# Altium PCB Node_v2.PcbDoc (continued)
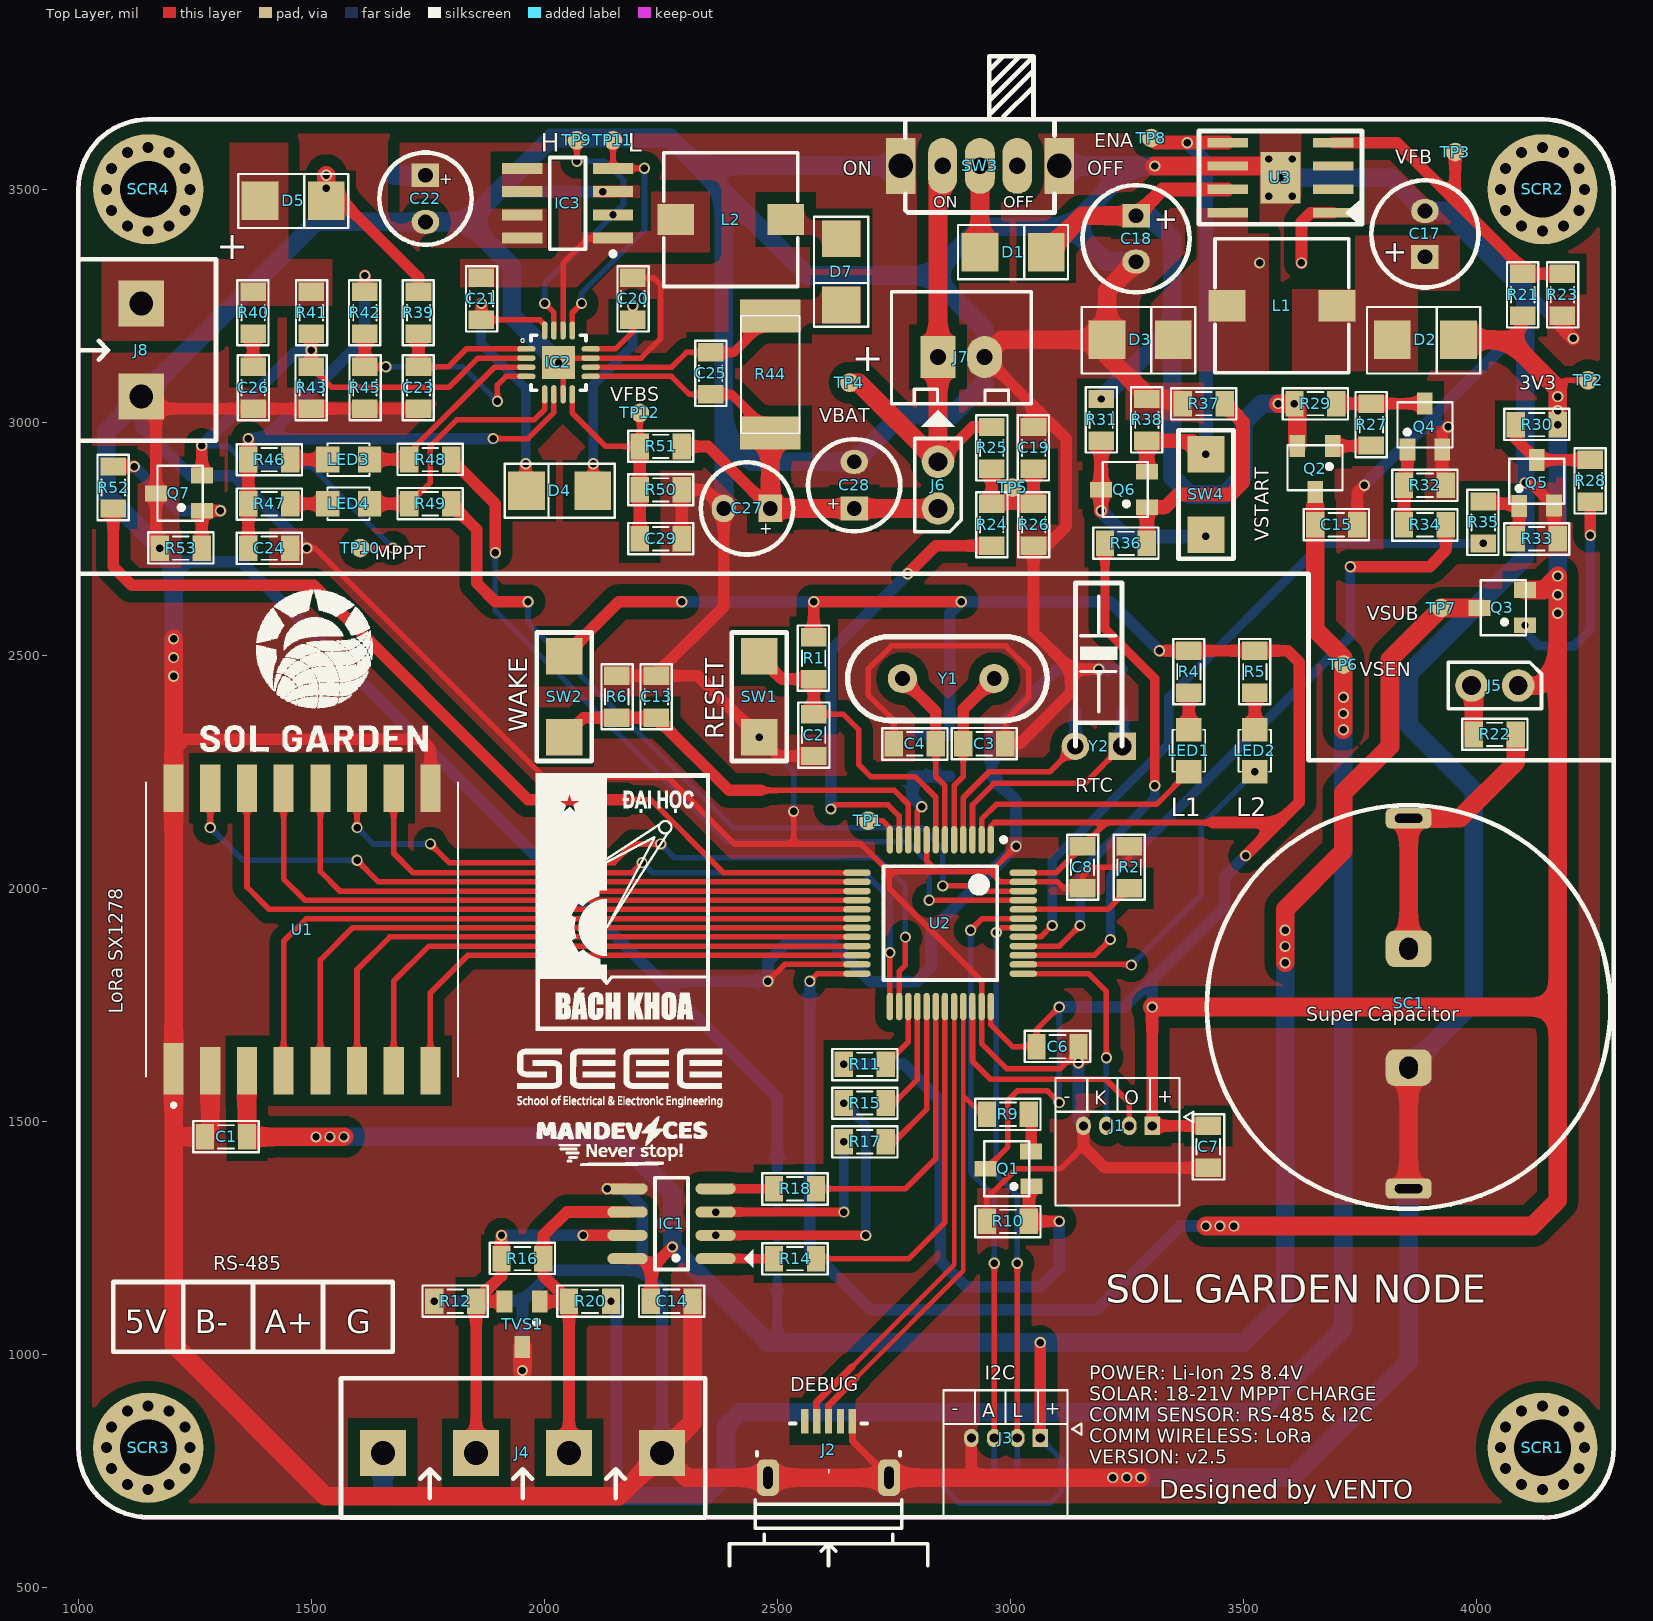
[diagram p0: Top Layer view]
## Footprints (in the part's own frame and the unit in brackets; to place one, negate y for a bottom-side part, rotate by r counter-clockwise, add the part's x,y. Pads: shape width x height; smd on the part's side, far side on the other; paste and mask are expansions set on the pad) (continued)
  silkscreen extent -4.67,-3.1 3.1,3.58, body extent -4.5,-4.5 4.5,4.5, height 1.6
Ra-02 [mm]
  rect 2.8x1.1 smd: 1(-7.6,7)
  rect 2.6x1.1 smd: 2(-7.7,5) 3(-7.7,3) 4(-7.7,1) 5(-7.7,-1) 6(-7.7,-3) 7(-7.7,-5) 8(-7.7,-7) 9(7.7,-7) 10(7.7,-5) 11(7.7,-3) 12(7.7,-1) 13(7.7,1) 14(7.7,3) 15(7.7,5) 16(7.7,7)
  silkscreen extent -9.68,-8.5 8,8.5, body extent -8,-8.49 8,8.51, height 3.03
RES-SMD-0805 [mil]
  rect 39.37x55 smd: 1(-45,0) 2(45,0)
  silkscreen extent -70,-34 70,33, body extent -39,-25 39,25, height 31
RES-SMD-2512 [mm] "Chip Capacitor, Body 3.2x2.5mm, IPC Medium Density"
  rect 1.8x3.3 smd: 1(-3.2,0.127) 2(3.2,0.127)
  silkscreen extent -3.2,-1.47 3.2,1.73, body extent -3.2,-1.47 3.2,1.73, height 0.6
SCREW [mm] "SCREW"
  round 0.65 hole 0.6: 0(-2.286,0) 0(-2.007,-1.143) 0(-2.007,1.143) 0(-1.143,-2.007) 0(-1.143,2.007) 0(0,-2.286) 0(0,2.286) 0(1.143,-2.007) 0(1.143,2.007) 0(2.007,-1.143) 0(2.007,1.143) 0(2.286,0)
  round 6 hole 3.1: 0(0,0)
SO-8 [mm] "8-Pin Small Outline Integrated Circuit 1.27 mm Pitch, IPC Medium Density"
  oval 2.2x0.6 smd: 1(-2.4,1.905) 2(-2.4,0.635) 3(-2.4,-0.635) 4(-2.4,-1.905) 5(2.4,-1.905) 6(2.4,-0.635) 7(2.4,0.635) 8(2.4,1.905)
  silkscreen extent -4.44,-2.5 0.9,2.5, body extent -2.89,-2.43 3.15,2.59, height 1.6
SOIC-8 [mm] "SOIC, 8-Leads, Body 5,0x4,0mm (max), Pitch 1,27mm, IPC Medium Density"
  rect 2.2x0.6 smd: 1(-2.475,1.905) 2(-2.475,0.635) 3(-2.475,-0.635) 4(-2.475,-1.905) 5(2.475,-1.905) 6(2.475,-0.635) 7(2.475,0.635) 8(2.475,1.905)
  silkscreen extent -2.6,-2.5 0.98,2.88, body extent -3.2,-2.5 3.2,2.5, height 1.75
SOT23 [mm] "SOT 23 _ 1-3-2"
  rect 0.85x1.2 smd: 1(-0.94,-1.245) 2(0.985,-1.25) 3(0.005,1.25)
  silkscreen extent -0.89,-0.25 -0.64,0, body extent -1.47,-1.33 1.53,1.17, height 1.06
SOT23A [mm] "SOT 23A"
  rect 0.85x1.2 smd: 1(-0.94,-1.245) 2(0.005,1.25) 3(0.985,-1.25)
  silkscreen extent -1.47,-1.3 1.52,1.17, body extent -1.5,-1.3 1.5,1.2, height 1.06
SOT23D [mm] "SOT 23C - 1-3-2 - BCE"
  rect 0.85x1.2 smd: 1(-0.95,-1.25) 2(0.94,-1.245) 3(0,1.25)
  silkscreen extent -1.5,-1.14 1.5,1.32, body extent -1.5,-1.17 1.5,1.33, height 1.06
SUPERCAPHC [mm]
  rrect50% 2.5x2 hole 1 slot 1.2 at 90 deg: 1(0,3.175) 2(0,-3.302)
  rrect50% 2.5x1.1 hole 0.5 slot 1.5 at 0 deg: 1(0,10.287) 2(0,-9.9)
  silkscreen extent -11,-11 11,11, body extent -9.5,-9.9 9.5,10.5, height 6.19
SW102_SIDE [mil]
  oval 62x120 hole 36: 1(0,0)
  oval 64x120 hole 36: 2(80,0) 3(160,0)
  rect 64x120 hole 52: GND(-90,0) GND(250,0)
  silkscreen extent -80,-100 240,235, body extent -89,-89 249,285, height 187
"SW 3x2x4" [mm]
  rect 2x2 smd: 1(-2.2,0) 2(2.2,0)
  silkscreen extent -3.5,-1.5 3.5,1.5, body extent -2.45,-1.45 2.45,1.45, height 2
TP_SMD [mil]
  round 40 smd: 1(0,0)
TPS5430-2 [mm]
  rect 2.2x0.508 smd: 1(-2.875,1.905) 2(-2.875,0.635) 3(-2.875,-0.635) 4(-2.875,-1.905) 5(2.875,-1.905) 6(2.875,-0.635) 7(2.875,0.635) 8(2.875,1.905)
  rect 2.2x2.8 smd: 9(0,0)
  silkscreen extent -4.44,-2.54 4.44,2.54, body extent -3.33,-2.49 3.33,2.49, height 1.69
USB-M4 [mm]
  rect 0.4x1.35 smd mask+0.05: 1(-1.3,3.069) 2(-0.65,3.069) 3(0,3.069) 4(0.65,3.069) 5(1.3,3.069)
  rrect60% 1.2x2 hole 0.5 slot 1.2 at 90 deg: 5(-3.3,0) 5(3.3,0)
  silkscreen extent -5.4,-4.8 5.4,2.95, body extent -3.93,-2.76 3.93,2.9, height 2.85
VQFN-16 [mm]
  oval 1x0.3 smd: 1(3.073,0.75) 2(3.073,0.25) 3(3.073,-0.25) 4(3.073,-0.75) 9(6.579,-0.75) 10(6.579,-0.25) 11(6.579,0.25) 12(6.579,0.75)
  oval 0.3x1 smd: 5(4.076,-1.727) 6(4.576,-1.727) 7(5.076,-1.727) 8(5.576,-1.727) 13(5.576,1.753) 14(5.076,1.753) 15(4.576,1.753) 16(4.076,1.753)
  rect 1.8x1.8 smd: 17(4.826,0)
  silkscreen extent 2.77,-1.5 6.33,1.5, body extent 3.33,-1.5 6.33,1.5, height 0.81
XTAL [mm]
  round 1.6 hole 0.8: 1(-2.552,0.001) 2(2.448,0.001)
  silkscreen extent -5.44,-2.29 5.44,2.29, body extent -5.55,-2.32 5.62,2.35, height 3.63
XTAL32K [mm] "Connector; Header; 2 Position"
  rect 1.5x1.5 hole 1.016: 1(0,0)
  round 1.5 hole 0.9: 2(2.54,0)
  silkscreen extent 0,-8.89 2.54,0, body extent -0.55,-8.96 3.05,0.27, height 3.8

## Part data
C1 C2 C3 C4 C5 C6 C7 C8 C9 C10 C11 C12 C13 C14 C15 C16 C19 C20 C21 C23 C24 C25 C26 C29: library part CapSMD, "Capacitor", LatestRevisionDate=17-Jul-2002, LatestRevisionNote="Re-released for DXP Platform.", PackageReference=RAD-0.3, Published=8-Jun-2000, Publisher="Altium Limited"
C17 C18 C22 C27 C28: library part "Cap Pol", "Polarized Capacitor (Axial)", LatestRevisionDate=17-Jul-2002, LatestRevisionNote="Re-released for DXP Platform.", PackageReference=POLAR0.8, Published=8-Jun-2000, Publisher="Altium Limited"
D1 D4 D5 D6 D7: "Schottky Rectifiers"
D2 D3: library part "Diode Schottky", "Diode Schottky SS34"
IC1: library part MAX485, "RS232 - RS485 (Same sn75176)"
IC2: "BQ24650 Stand-Alone Synchronous Buck Battery Charge Controller for Solar Power / With Maximum Power Point Tracking"
IC3: "Dual N-Channel Enhancement Mode Field Effect Transistor with Schottky Diode"
J1 J3: library part Header4, "Header IDC, 4 x 1 Pin Vertical 2.54mm Pitch (Non-Boxed, Male)", Manufacturer="Würth Elektronik eiSos GmbH", partNo=613002143121, ComponentLink1 Description=Manufacturer, ComponentLink1URL=http://www.we-online.com, ComponentLink2 Description=Datasheet, ComponentLink2URL=http://katalog.we-online.de/em/datasheet/6130xx143121.pdf, Created by="Karrer Zheng", Created Date="29 March 2013", NoPins=02
J2: Manufacturer=FCI, Manufacturer Part Number=10118193-0001LF, Supplier Part Number 1=609-4616-1-ND, .Checked PCB=RF, .Checked SCH=MM, .Creator=MM, Category="Connectors, Interconnects", ComponentLink1Description=http://portal.fciconnect.com/Comergent//fci/drawing/10118193.pdf, ComponentLink1URL=http://portal.fciconnect.com/Comergent//fci/drawing/10118193.pdf, Connector Type="USB - micro B", Features="Shielded, Solder Retention", Gender=Receptacle, Ingress Protection=-, Mounting Type="Surface Mount, Right Angle, Horizontal", Number of Contacts=5, Packaging="Cut Tape (CT)", Pricing 1="1=0.46, 10=0.433, 25=0.3712, 50=0.3156, 100=0.3032, 250=0.27224, 500=0.25988 (USD)", RoHS="RoHS Compliant", Specifications="USB 2.0", Stock 1=28642, Supplier 1=Digi-Key
J4: Manufacturer="Würth Elektronik eiSos GmbH", partNo=691133710004, ComponentLink1 Description=Manufacturer, ComponentLink1 URL=http://www.we-online.com, ComponentLink2 Description=Datasheet, ComponentLink2 URL=http://katalog.we-online.de/em/datasheet/6911337100xx.pdf, Created by="Baojun Chen", Created Date=4-Aug-15, NoPins=4
J5 J6 J7: "WR-PHD 2.54 mm Angled Socket Header", Manufacturer="Würth Elektronik eiSos GmbH", partNo=613002143121, ComponentLink1 Description=Manufacturer, ComponentLink1URL=http://www.we-online.com, ComponentLink2 Description=Datasheet, ComponentLink2URL=http://katalog.we-online.de/em/datasheet/6130xx143121.pdf, Created by="Karrer Zheng", Created Date="29 March 2013", NoPins=02
J8: Manufacturer="Würth Elektronik eiSos GmbH", partNo=691103110002, ComponentLink1 Description=Manufacturer, ComponentLink1URL=http://www.we-online.com, ComponentLink2 Description=Datasheet, ComponentLink2URL=http://katalog.we-online.de/em/datasheet/6911031100xx.pdf, Created by="Karrer Zheng", Created Date="29 October 2013", NoPins=2
L1 L2: library part Inductor, "Inductor"
LED1 LED2 LED3 LED4: "LED Single colour Green and Red"
Q1 Q4 Q5: library part C1815, "NPN 600mW, ECB", =C2383
Q2 Q3: library part MOSFET_P, "30V 5.8A P-Channel MOSFET"
Q6 Q7: library part MOSFET_N, "Generic N Channel MOSFET"
R1 R2 R6 R21 R22 R23 R31 R36 R37 R38: library part "Resistor - SMD", "Resistor", Manufacturer="Generic Components", Class=Passive, Published=08/06/2000, Publisher="Altium Hobart Technology Centre"
R3 R4 R5 R7 R8 R9 R10 R11 R12 R13 R14 R15 R16 R17 R18 R19 R20 R24 R25 R26 R27 R28 R29 R30 R32 R33 R34 R35 R39 R40 R41 R42 R43 R44 R45 R46 R47 R48 R49 R50 R51 R52 R53: library part "Resistor - SMD", "Resistor SMD", Manufacturer="Generic Components", Class=Passive, Published=08/06/2000, Publisher="Altium Hobart Technology Centre"
SC1: library part SuperCap
SCR1 SCR2 SCR3 SCR4: library part screw3m
SW1 SW2 SW3 SW4: library part SW2, "Switch button 2 pin"
TP1 TP2 TP3 TP4 TP5 TP6 TP7 TP8 TP9 TP10 TP11 TP12: library part TP, "CONNECT 1"
TVS1: library part BAV70, "BAV70"
U2: library part STM32F103C8T6, "STM32 ARM-based 32-bit MCU with 64 Kbytes Flash, 64-pin LQFP, Industrial Temperature"
Y1: library part XTAL, "Crystal Oscillator", LatestRevisionDate=17-Jul-2002, LatestRevisionNote="Re-released for DXP Platform.", PackageReference=R38, Published=8-Jun-2000, Publisher="Altium Limited"
Y2: library part XTAL/32KHz, "Crystal Oscillator", LatestRevisionDate=17-Jul-2002, LatestRevisionNote="Re-released for DXP Platform.", PackageReference=R38, Published=8-Jun-2000, Publisher="Altium Limited"
U3: Name=TPS5430

## Via types
v1: diameter 24, hole 16, Top Layer to Bottom Layer, 129 vias

## Nets (pads, with @x,y where several pads share a name; then routed paths per layer and width w, separated by ;. In a path a pad name is that pad's centre, name@x,y a point inside that pad or via, vN(x,y) a via of type N, cw(c..) or ccw(c..) an arc to the next point about the centre after c; other vN are vias at no path point)
3V3: C5.2 C6.2 C7.2 C8.2 C9.2 D2.2 J1.1 J5.1 Q1.3 Q3.3 R1.1 R3.1 R4.1 R5.1 R21.2 R30.1 SW2.2 TP2.1 U2.1 U2.24 U2.36 U2.48 | length 11064.4
  Top Layer w12: v1(2570,1800.47) 2586.26,1816.73 U2.24 ; Q1.3 2948,1398 2995,1445 2995,1545 3015,1565 3080,1565 v1(3105,1540) ; U2.36@2957.47,1746.8 U2.36 2958.27,1706.73 3005,1660 C6.2 3056.42,1696.42 v1(3105,1745) ; U2.1 2958.27,2133.27 2966,2141 3206,2141 ; U2.48 3098.27,2033.27 C8.2 3206,2141 ; 3435,2141 3206,2141 ; 4175,3072.12 4192.88,3090 TP2.1
  Top Layer w25: SW2.2 2159.99,2615 v1(2295,2615) ; R1.1 v1(2578.11,2615) v1(2895,2615) ; v1(3304.71,1745) J1.1 C7.2 ; v1(3320,2509.79) R4.1 R5.1 3595.21,2509.79 3620,2485 3620,2185 3576,2141 ; 3435,2141 3576,2141 ; v1(3505,2070) 3576,2141 ; 4070,3177.12 4100,3207.12 R21.2
  Top Layer w40: v1(3304.71,1745) 4175,1745 ; v1(3420,1275) v1(3450,1275) v1(3480,1275) 4120,1275 4175,1330 4175,1745 ; D2.2 4070,3177.12 4175,3072.12 v1(4175,3055) v1(4175,3025) v1(4175,2995) ; J5.1 4135,2435 4175,2475 ; Q3.3 4145,2640 v1(4175,2670) v1(4175,2630) v1(4175,2590) 4175,2475 ; 4175,1745 4175,2475
  Bottom Layer w12: v1(3105,1540) v1(3105,1745)
  Bottom Layer w25: v1(2295,2615) v1(2578.11,2615) ; v1(2570,1800.47) 2570,1225 2700,1095 3185,1095 3365,1275 v1(3420,1275) v1(3450,1275) v1(3480,1275) ; R3.1 C9.2 2870,2590 v1(2895,2615) 3215,2615 3320,2510 v1(3320,2509.79) ; v1(3105,1745) 3244.71,1745 3302.36,1802.64 ; v1(3304.71,1745) 3304.71,1804.71 3460,1960 3460,2025 v1(3505,2070)
  Bottom Layer w40: v1(4175,2590) v1(4175,2630) v1(4175,2670) v1(4175,2995) v1(4175,3025) v1(4175,3055)
3V3-SUB: C1.1 C14.2 IC1.8 J3.1 Q3.2 R7.2 R8.2 R13.1 TP7.1 U1.3 | length 5464.7
  Top Layer w25: IC1.8 2210,1205 2230,1185 ; C14.2 2230,1115.32 2230,1185 ; v1(2275,1230) 2230,1185 ; J3.1 v1(3064.21,1025)
  Top Layer w40: U1.3 C1.1 v1(1510,1466.42) v1(1540,1466.42) v1(1570,1466.42) ; v1(3590,1840) v1(3590,1875) v1(3590,1910) 3590,1955 3715,2080 3715,2205 3815,2305 3815,2491.4 TP7.1 Q3.2
  Bottom Layer w12: R8.2 2865,705 2890,680 3085,680 3110,705 R7.2 3110,774.21 J3.1
  Bottom Layer w20: 2500,1035 R13.1
  Bottom Layer w25: v1(1510,1466.42) v1(1540,1466.42) v1(1570,1466.42)
  Bottom Layer w40: v1(1570,1466.42) 2153.58,1466.42 2275,1345 v1(2275,1230) 2480,1025 2510,1025 ; 2500,1035 2510,1025 ; v1(3590,1910) v1(3590,1875) v1(3590,1840) 3590,1115 3500,1025 v1(3064.21,1025) 2510,1025
A: IC1.6 J4.3 R16.1 R20.2 TVS1.1 | length 753.6
  Top Layer w25: TVS1.1 R20.2 ; J4.3 R20.2 ; IC1.6 2048.11,1305 1998.11,1255 R16.1 1998.11,1168.21 R20.2
BOOT0: R2.1 U2.44 | length 245.8
  Top Layer w12: U2.44 3209.53,1954.53 R2.1
BTST: C21.1 D4.2 IC2.16 | length 629.6
  Top Layer w12: C21.1 1990,3220 2000.94,3209.06 IC2.16
  Top Layer w25: C21.1 v1(1865,3255) ; v1(1960,2911) 1960,2854.8 D4.2
  Bottom Layer w20: v1(1865,3255) 1865,3167.84 1960,3072.84 v1(1960,2911)
GND: C1.2 C2.1 C3.1 C4.1 C5.1 C6.1 C7.1 C8.1 C9.1 C10.1 C11.2 C12.2 C13.1 C14.1 C15.1 C17.2 C18.2 C19.1 C20.2 C22.2 C23.2 C24.2 C26.1 C27.2 C28.2 C29.1 D3.1 IC1.5 IC2.7 IC2.11 IC2.17 IC3.3 J1.4 J2.5 J3.4 J4.4 J7.2 J8.1 Q4.2 Q5.2 Q7.2 R2.2 R6.2 R10.1 R12.2 R19.2 R23.1 R26.1 R32.2 R33.2 R37.1 R38.1 R43.2 R45.1 R50.1 R53.2 SC1.2 SW1.1 SW3.GND TVS1.3 U1.1 U1.2 U1.9 U1.16 U2.8 U2.23 U2.35 U2.47 U3.6 U3.9 | length 32008
  Top Layer w12: v1(1490,2730) 1507.56,2730 1999.15,2238.41 2265,2238.41 2408.41,2095 2535,2095 ; IC2.7 2040.31,3118.16 v1(2030.47,3128) 2040.31,3137.84 IC2.11 2207.84,3137.84 2250,3180 2250,3295 2235,3310 C20.2 ; v1(2480,1800.47) 2515.94,1836.42 U2.23 ; v1(2535,2165) 2535,2095 ; C4.1 2750.16,2359.84 2695,2415 2695,2470 2745,2520 2990,2520 3040,2470 3040,2410 2990,2360 2990,2310.79 C3.1 ; U2.8 2820.47,2059.53 2845,2035 ; R10.1 2950,1335 3013,1398 3108.96,1398 3157.07,1446.11 ; v1(3012.47,2090) 2957.47,2035 ; C6.1 3146.42,1651.42 3107.2,1612.2 2992.8,1612.2 2938.58,1666.42 U2.35 2938.58,1801.42 2740,2000 2740,2035 ; R2.2 3255,2065 3235,2045 3175,2045 3155,2025 C8.1 3115,2000 3101.42,2013.58 U2.47 2978.89,2013.58 2957.47,2035 ; 2535,2095 2680,2095 2740,2035 ; 2740,2035 2845,2035 ; 2845,2035 2957.47,2035
  Top Layer w15: J2.5@2661.18,855.82 2661.18,813.74 J2.5@2739.92,735
  Top Layer w25: J8.1 J8.1@1160.99,3029.01 ; v1(1175,2730) 1166.79,2738.21 Q7.2 1166.79,3023.21 J8.1@1160.99,3029.01 ; 1204.41,2295 1229.41,2320 1735,2320 1755.59,2299.41 U1.9 ; C24.2 v1(1490,2730) ; C23.2 R45.1 C26.1 J8.1@1160.99,3029.01 ; v1(2125,3495) IC3.3 ; v1(2135,1355) IC1.5 ; R6.2 C13.1 2329.61,2455.92 v1(2461.22,2324.31) ; C13.1@2238.55,2457.96 2385,2604.42 C27.2 2345.2,2854.8 R50.1 C29.1 ; J4.4 J4.4@2290.82,750 ; SW1.1@2461.22,2330.29 v1(2461.22,2324.31) ; C2.1 2501.81,2283.72 v1(2461.22,2324.31) ; J3.4 2916.57,753.43 2935,735 ; J7.2 3050,3035 ; C3.1 3020,2310 3130,2420 3130,2470 ; C19.1 3050,3035 ; v1(3146.42,1625) C6.1@3146.42,1651.42 ; J1.4 3157.07,1446.11 3203.19,1400 C7.1 ; v1(3190,2470) 3130,2470 ; C15.1 3744.8,2849.8 v1(3760,2865) ; R32.2 3927,2873 Q4.2 3927,2977 v1(3940,2990) ; v1(4105,2870) 4118,2870 Q5.2 4167,2758 R33.2 ; 3050,3035 3120,2965 3120,2776.73 3078.27,2735 R26.1 3050,2550 3130,2470
  Top Layer w30: R23.1 4185,3203.13 v1(4208.13,3180)
  Top Layer w40: v1(1204.41,2535) v1(1204.41,2495) v1(1204.41,2455) 1204.41,2295 U1.16 U1.1 1204.41,1477.01 ; U1.2 1283.15,1477.68 C1.2 1215,1466.42 1204.41,1477.01 ; v1(1953.11,965) TVS1.3 ; J4.4@2290.82,750 2305.82,735 2480.08,735 2739.92,735 2935,735 v1(3220,735) v1(3250,735) v1(3280,735) ; C14.1 2318.11,853.71 J4.4 2252.61,787.61 2160,695 1530,695 1204.41,1020.59 1204.41,1477.01 ; J7.2 2982.12,3177.12 D3.1 ; C18.2 3207.8,3282.58 D3.1 ; v1(3310,3550) U3.6 3555,3550 v1(3580,3525) ; R37.1 3360,3050 R38.1 3293.21,3056.79 3207.8,3142.2 D3.1 ; SC1.2@3855,1355.25 SC1.2@3855,1615
  Bottom Layer w12: v1(2461.22,2324.31) 2535,2250.53 v1(2535,2165)
  Bottom Layer w25: J8.1 1135,2990 1240,2885 1335,2885 v1(1490,2730) ; 1204.41,2700.59 1349.41,2700.59 2249.53,1800.47 ; v1(1763.61,1113.43) 1953.43,1113.43 ; 1900,3495 v1(2125,3495) ; v1(1953.11,965) 1953.11,1113.11 1953.43,1113.43 ; v1(2135,1355) 2170,1355 2210,1315 2210,1180 ; J4.4 2252.61,1137.39 2210,1180 ; R19.2 2500,1550 2249.53,1800.47 ; v1(3146.42,1625) 3146.42,1500.66 J1.4 ; C11.2 v1(3190,2470) C12.2 3100,2470 C9.1 C10.1 3012.47,2187.53 v1(3012.47,2090) 2830,1907.53 2830,1830 2799.4,1799.4 2700.6,1799.4 2620,1880 2518.06,1880 2480,1841.94 v1(2480,1800.47) 2249.53,1800.47 ; v1(3760,2865) 3885,2990 ; v1(3940,2990) 3885,2990 ; 4105,3210 3885,2990 ; 4105,3283.13 v1(4208.13,3180) ; 1953.43,1113.43 2020,1180 2210,1180
  Bottom Layer w40: v1(1204.41,2455) v1(1204.41,2495) v1(1204.41,2535) 1204.41,2700.59 v1(1175,2730) 1060,2845 1060,2980 J8.1 1510,3430 C22.2 1835,3430 ; v1(2030.47,3128) 1930,3228.47 1930,3335 1835,3430 ; C27.2 2385,2975 ; SW3.GND@2765,3550.34 2329.66,3550.34 ; SW3.GND@3105,3550.34 3105.34,3550 3260,3550 ; v1(3220,735) v1(3250,735) v1(3280,735) 3605,735 3855.01,985.01 3855.01,1355.24 3855,1615 3995,1755 3995,2210 3855,2350 3855,2460 4105,2710 v1(4105,2870) 4105,3210 4105,3283.13 3934.7,3453.43 C17.2 3818.43,3525 v1(3580,3525) ; C18.2 3205.21,3344.79 3130,3420 ; v1(3310,3550) 3260,3550 ; 1835,3430 1900,3495 2015,3610 2270,3610 2329.66,3550.34 ; 2329.66,3550.34 2385,3495 ; 2385,2975 2385,3495 ; 2385,2975 2445,2915 C28.2 2765,3015 2875,3015 2945,3085 J7.2 2945,3200 2830,3315 ; 2385,3495 2565,3315 2830,3315 ; 2830,3315 2935,3420 3130,3420 ; 3130,3420 3260,3550
  other v1: 3555,3485 3605,3485 3555,3565 3605,3565
I2C1_SCL: J3.2 R7.1 U2.42 | length 1252.9
  Top Layer w12: v1(2970,1905) 2980.16,1915.16 U2.42 ; J3.2 v1(3015,1195)
  Bottom Layer w12: v1(2970,1905) 2970,1385 3015,1340 v1(3015,1195) ; J3.2 3015,740 R7.1
I2C1_SDA: J3.3 R8.1 U2.43 | length 1322.8
  Top Layer w12: v1(2915,1910) 2939.84,1934.84 U2.43 ; J3.3 v1(2965.79,1195)
  Bottom Layer w12: v1(2915,1910) 2915,1390 2965.79,1339.21 v1(2965.79,1195) ; R8.1 2965.79,746.79 J3.3
MCU_RESET: C2.2 R1.2 SW1.2 U2.7 | length 683.2
  Top Layer w12: C2.2 2641.28,2373.72 2675,2340 2675,2265 2700.32,2239.68 2795.63,2239.68 2840.16,2195.16 U2.7
  Top Layer w25: SW1.2 2510.04,2448.72 R1.2 C2.2
MPPSET: IC2.2 Q7.3 R41.1 R43.1 TP10.1 | length 1531.8
  Top Layer w12: R43.1 1544.02,3075 1795,3075 1857.84,3137.84 IC2.2 ; TP10.1 v1(1675,2730)
  Top Layer w25: v1(1265,2950) 1265.21,2949.79 Q7.3 ; R43.1 v1(1500,3154.51) R41.1
  Bottom Layer w12: v1(1265,2950) 1320,2950 1365,2905 1500,2905 v1(1675,2730)
  Bottom Layer w25: v1(1265,2950) 1469.51,3154.51 v1(1500,3154.51)
NetC16_1: C16.1 D3.2 L1.1 U3.8
  other v1: 3535,3341.89
NetC16_2: C16.2 U3.1 | length 164.6
  Top Layer w25: v1(3625,3341.89) 3625,3430 3645,3450 U3.1
NetC17_1: C17.1 D2.1 L1.2
NetC19_2: C19.2 R24.2 R25.1 R26.2 TP5.1 | length 275
  Top Layer w25: R25.1 R24.2 3005,2825 ; TP5.1 3005,2825 ; C19.2 R26.2 3005,2825
NetC22_1: C22.1 D6.2 IC3.7 IC3.8 | length 70
  Bottom Layer w40: D6.2 C22.1
NetC23_1: C23.1 IC2.1 R39.2 | length 318.4
  Top Layer w12: C23.1 1793.97,3119.02 1832.47,3157.53 IC2.1
  Top Layer w25: C23.1 R39.2
NetC26_2: C26.2 R40.2 | length 71
  Top Layer w25: C26.2 R40.2
NetC29_2: C29.2 IC2.8 R50.2 R51.2 TP12.1 | length 484.8
  Top Layer w12: IC2.8 2060,3020 2131.87,2948.13 R51.2 TP12.1
  Top Layer w25: C29.2 R50.2 R51.2
NetD1_1: D1.1 SW3.2 | length 185.1
  Top Layer w40: D1.1 SW3.2
NetD5_2: D5.2 D6.1 R39.1 | length 351.8
  Top Layer w25: D5.2 1565.81,3475 1730,3310.81 R39.1
  Top Layer w40: D5.2 v1(1532.2,3502.6) v1(1532.2,3530.2)
NetD7_1: D7.1 L2.2
NetIC1_1: IC1.1 R14.1 | length 125.5
  Top Layer w20: IC1.1 R14.1
NetIC1_2: IC1.2 R13.2 R15.1 | length 760.3
  Top Layer w20: v1(2367.6,1255) v1(2690,1255)
  Bottom Layer w20: v1(2367.6,1255) 2495,1255 R13.2 ; v1(2643,1539) 2690,1492 v1(2690,1255)
NetIC1_3: IC1.3 R17.1 R19.1 | length 560.9
  Top Layer w20: v1(2367.6,1305) v1(2643,1305)
  Bottom Layer w20: v1(2367.6,1305) 2495,1305 R19.1 ; v1(2643,1305) v1(2643,1456)
NetIC1_4: IC1.4 R18.1 | length 125.5
  Top Layer w20: IC1.4 R18.1
NetIC1_7: IC1.7 J4.2 R12.1 R16.2 TVS1.2 | length 820.8
  Top Layer w25: J4.2 R12.1 ; v1(1908.11,1255) R16.2 1908.11,1167.93 R12.1 ; TVS1.2 R12.1 ; v1(2083.11,1255) IC1.7
  Bottom Layer w25: v1(1908.11,1255) v1(2083.11,1255)
NetIC2_13: IC2.13 IC3.4 TP11.1 | length 539.8
  Top Layer w12: IC2.13 2060,3235 v1(2080,3255) ; TP11.1 IC3.4 v1(2215,3545)
  Bottom Layer w12: v1(2080,3255) 2080,3277.5 2215,3412.5 v1(2215,3545)
NetIC2_15: IC2.15 IC3.2 TP9.1 | length 562.7
  Top Layer w12: v1(2000.94,3255) 2020.63,3235.31 IC2.15 ; v1(2070,3560) TP9.1
  Bottom Layer w12: v1(2000.94,3255) 2000.94,3298.5 v1(2147.44,3445) 2170,3467.56 2170,3520 2130,3560 v1(2070,3560)
NetJ5_2: J5.2 R22.2 | length 107.1
  Top Layer w40: J5.2 3995,2430 R22.2
NetLED1_1: LED1.1 R4.2 | length 79.8
  Top Layer w25: LED1.1 R4.2
NetLED2_1: LED2.1 R5.2 | length 79.8
  Top Layer w25: LED2.1 R5.2
NetLED3_1: LED3.1 R46.2 | length 80
  Top Layer w25: R46.2 LED3.1
NetLED4_1: LED4.1 R47.2 | length 80
  Top Layer w25: R47.2 LED4.1
NetQ1_1: Q1.1 R10.2 R11.1 | length 1120.2
  Top Layer w25: Q1.1 3040,1355.38 R10.2 v1(3105,1285)
  Bottom Layer w25: v1(2643,1622) 2771.61,1622 2850,1543.61 2850,1200 2905,1145 3065,1145 3105,1185 v1(3105,1285)
NetQ1_2: Q1.2 R9.2 | length 82.1
  Top Layer w25: R9.2 3045,1510 Q1.2
NetQ2_1: Q2.1 R27.2 | length 83.4
  Top Layer w25: Q2.1 3774,2949 R27.2
NetQ3_1: Q3.1 R28.2 | length 455.4
  Top Layer w25: v1(4245,2757.6) R28.2
  Bottom Layer w20: v1(4104.79,2564.2) 4104.79,2550.21 4135,2520 4210,2520 4245,2555 v1(4245,2757.6)
NetQ4_1: Q4.1 R32.1 R34.1 | length 164.7
  Top Layer w25: R34.1 R32.1 3852.6,2872.6 Q4.1
NetQ4_3: Q4.3 R27.1 R29.2 | length 190
  Top Layer w25: R29.2 R27.1 Q4.3
NetQ5_1: Q5.1 R33.1 R35.1 | length 153.3
  Top Layer w25: R35.1@4015,2825 4088.39,2825 Q5.1 4092.6,2757.6 R33.1
NetQ5_3: Q5.3 R28.1 R30.2 | length 209.4
  Top Layer w25: R30.2 4085,2964.21 Q5.3 R28.1
NetQ6_1: Q6.1 R36.1 R37.2 | length 492.2
  Top Layer w30: R36.1 Q6.1 3332.8,2817.8 3360,2845 3474.06,2845 3500,2870.94 3500,3000 R37.2
NetQ6_2: Q6.2 R31.1 SW4.2 | length 401.2
  Top Layer w30: v1(3195,2810) Q6.2 R31.1 ; v1(3420,2755) SW4.2
  Bottom Layer w30: v1(3195,2810) 3250,2755 v1(3420,2755)
NetQ7_1: Q7.1 R52.1 R53.1 | length 389.4
  Top Layer w25: R52.1 v1(1120,2905) ; R53.1 Q7.1 v1(1305,2810)
  Bottom Layer w25: v1(1120,2905) 1215,2810 v1(1305,2810)
NetR14_2: R14.2 U2.31 | length 772.4
  Top Layer w12: R14.2 2624.5,1205 2782.5,1205 2859.84,1282.34 U2.31
NetR15_2: R15.2 U2.28 | length 245.3
  Top Layer w12: R15.2 2750.42,1539 2800.79,1589.37 U2.28
NetR17_2: R17.2 U2.29 | length 336.8
  Top Layer w12: R17.2 2751,1456 2820.47,1525.47 U2.29
NetR18_2: R18.2 U2.30 | length 609.9
  Top Layer w12: R18.2 2775,1355 2840.16,1420.16 U2.30
NetR21_1: R21.1 R23.2 TP3.1 U3.4 | length 727.2
  Top Layer w25: U3.4 3830,3600 3955,3475 ; TP3.1 3955,3475 ; 3960,3470 3955,3475 ; R23.2 R21.1 4100,3330 3955,3475
NetR22_1: R22.1 SC1.1 | length 619.7
  Top Layer w40: SC1.1@3855,1870 3855,2150 3965,2150 4085,2270 R22.1
NetR24_1: R24.1 U2.11 | length 989.4
  Top Layer w12: v1(2615,2170) 2623.9,2178.9 2737.83,2178.9 2761.42,2155.31 U2.11
  Top Layer w25: v1(2780,2675) 2840,2735 R24.1
  Bottom Layer w25: v1(2615,2170) 2615,2510 v1(2780,2675)
NetR34_2: R34.2 U2.39 | length 1488.9
  Top Layer w12: U2.39 3181.1,1856.1 v1(3215,1890)
  Top Layer w25: v1(3730,2690) 3900,2690 3935,2725 R34.2
  Bottom Layer w20: v1(3215,1890) 3215,2025 3730,2540 v1(3730,2690)
NetR35_2: R35.2 U2.41 | length 1477.4
  Top Layer w12: U2.41 3065.47,1895.47 v1(3090,1920)
  Bottom Layer w20: v1(3090,1920) 3090,2060 3340,2310 3340,2410 3670,2740 v1(4015,2740)
NetR36_2: R36.2 U2.40 | length 1070.8
  Top Layer w12: U2.40 3105.79,1875.79 v1(3150,1920)
  Top Layer w20: R36.2 3203.21,2556.79 3310,2450 v1(3310,2220)
  Bottom Layer w20: v1(3150,1920) 3150,2035 3310,2195 v1(3310,2220)
NetR48_1: R48.1 U2.45 | length 1800.9
  Top Layer w12: v1(2825.79,1974.21) U2.45
  Top Layer w25: R48.1 1895,2825 v1(1895,2720)
  Bottom Layer w12: v1(1895,2720) 1895,2595 2390,2100 2779.21,2100 2825.79,2053.43 v1(2825.79,1974.21)
NetR49_1: R49.1 U2.46 | length 1712.8
  Top Layer w12: v1(2855,2005) 2935,2005 2946.1,1993.9 U2.46
  Top Layer w25: R49.1 1855,2770 1855,2655 1895,2615 v1(1965,2615)
  Bottom Layer w12: v1(1965,2615) 1965,2570 2405,2130 2810,2130 2855,2085 v1(2855,2005)
NetR52_2: R52.2 U2.13 | length 1993
  Top Layer w12: 2170,2190 2228.11,2190 2384.84,2033.27 U2.13
  Top Layer w25: R52.2 1075,2690 1115,2650 1505,2650 1965,2190 2170,2190
NetTP1_1: TP1.1 U2.12 | length 78.5
  Top Layer w12: TP1.1 2726,2145 2741.73,2129.27 U2.12
NetU1_4: U1.4 U2.18 | length 1528.4
  Top Layer w12: U1.4 1440.63,1886.1 1489.37,1934.84 U2.18
NetU1_5: U1.5 U2.19 | length 1418.1
  Top Layer w12: U1.5 1519.37,1846.1 1588.43,1915.16 U2.19
NetU1_6: U1.6 U2.20 | length 1318.8
  Top Layer w12: U1.6 1598.11,1825 1668.58,1895.47 U2.20
NetU1_7: U1.7 U2.21 | length 1217.6
  Top Layer w12: U1.7 1676.85,1800.47 1752.17,1875.79 2344.21,1875.79 U2.21
NetU1_8: U1.8 U2.22 | length 1116.1
  Top Layer w12: U1.8 1755.59,1775.59 1836.1,1856.1 U2.22
NetU1_10: U1.10 U2.25 | length 1495
  Top Layer w12: U1.10 1676.85,2075 1718.58,2033.27 2188.27,2033.27 v1(2210,2055) ; U2.25 2741.73,1861.73 v1(2741.94,1861.94)
  Bottom Layer w12: v1(2210,2055) 2231.73,2033.27 2686.73,2033.27 2741.94,1978.06 v1(2741.94,1861.94)
NetU1_11: U1.11 U2.26 | length 1611
  Top Layer w12: v1(1598.11,2130) U1.11 ; v1(1755.59,2095) 1795.59,2055 2150,2055 2190,2095 v1(2250,2095) ; U2.26 2761.42,1821.42 2775,1835 v1(2775,1895)
  Bottom Layer w12: v1(1598.11,2130) 1633.11,2095 v1(1755.59,2095) ; v1(2250,2095) 2280,2065 2715,2065 2775,2005 v1(2775,1895)
NetU1_12: U1.12 U2.15 | length 1347.9
  Top Layer w12: U1.12 1519.37,2035.63 1561.1,1993.9 U2.15
NetU1_13: U1.13 U2.16 | length 1443.9
  Top Layer w12: U1.13 1440.63,2020 1486.42,1974.21 U2.16
NetU1_14: U1.14 U2.17 | length 1541.2
  Top Layer w12: U1.14 1361.89,2002.32 1409.68,1954.53 U2.17
NetU1_15: U1.15 U2.14 | length 1520.6
  Top Layer w12: v1(1283.15,2130) U1.15 ; v1(1598.11,2060) 1644.53,2013.58 U2.14
  Bottom Layer w12: v1(1283.15,2130) 1353.15,2060 v1(1598.11,2060)
OSC32_IN: C11.1 U2.3 Y2.1 | length 523.2
  Top Layer w12: U2.3 2918.9,2178.9 2965,2225 3160,2225 Y2.1
  Bottom Layer w25: Y2.1 C11.1
OSC32_OUT: C12.1 U2.4 Y2.2 | length 451.9
  Top Layer w12: U2.4 2899.21,2194.21 2955,2250 3085,2250 Y2.2
  Bottom Layer w25: Y2.2 C12.1
OSC_IN: C3.2 U2.5 Y1.1 | length 381.6
  Top Layer w12: U2.5 2879.53,2220 2899.21,2239.68 C3.2
  Top Layer w25: C3.2 2899.21,2383.72 Y1.1
OSC_OUT: C4.2 U2.6 Y1.2 | length 383.8
  Top Layer w12: C4.2 2840.16,2240 2859.84,2220.31 U2.6
  Top Layer w25: Y1.2 2840.16,2378.43 C4.2
PA15: LED2.2 U2.38 | length 757.4
  Top Layer w12: U2.38 3258.58,1836.42 v1(3260,1835)
  Bottom Layer w12: v1(3260,1835) 3410,1985 3410,2135 v1(3525,2250)
PC13: LED1.2 U2.2 | length 531.5
  Top Layer w12: U2.2 2938.58,2148.58 2970,2180 3313.49,2180 LED1.2
PH: C21.2 IC2.14 IC3.1 IC3.5 IC3.6 L2.1 | length 274
  Top Layer w12: IC2.14 2040.31,3341.89 2093.43,3395 IC3.1
REGN: C20.1 D4.1 IC2.12 | length 595.7
  Top Layer w12: IC2.12 2152.53,3157.53 2190,3195 C20.1
  Top Layer w20: D4.1 2107.5,2856.5 2105,2859 v1(2105,2911) ; C20.1 v1(2190,3250)
  Bottom Layer w20: v1(2105,2911) 2105,3080 2190,3165 v1(2190,3250)
SRN: C25.1 C27.1 C28.1 IC2.9 J6.1 R44.2 R51.1 | length 1202.7
  Top Layer w12: IC2.9 2273.16,3098.47 2311.63,3060 C25.1
  Top Layer w20: C25.1 2401.57,3060 R44.2
  Top Layer w25: R51.1 2351.87,2948.13 C27.1
  Top Layer w40: R44.2 C27.1 C28.1 J6.1
SRP: C25.2 D7.2 IC2.10 R44.1 | length 431.2
  Top Layer w12: IC2.10 2273.16,3118.16 2305,3150 C25.2
  Top Layer w20: C25.2 2406.46,3150 R44.1
STAT1: IC2.3 LED3.2 R48.2 | length 427.3
  Top Layer w12: R48.2 1710,2935 1893.16,3118.16 IC2.3
  Top Layer w25: LED3.2 R48.2
STAT2: IC2.5 LED4.2 R49.2 | length 537.9
  Top Layer w12: R49.2 1755,2870 1755,2948.13 1811.87,3005 1978.13,3005 2000.94,3027.81 IC2.5
  Top Layer w25: LED4.2 R49.2
SWCLK: J1.3 U2.37 | length 482.7
  Top Layer w12: U2.37 3168.27,1816.73 3206.29,1778.71 v1(3206.29,1636.1)
  Bottom Layer w12: J1.3 v1(3206.29,1636.1)
SWDIO: J1.2 U2.34 | length 540.4
  Top Layer w12: U2.34 2918.9,1628.57 2957.47,1590 3205,1590 3255.5,1539.5 J1.2
TPS_ENA: Q6.3 R38.2 SW4.1 TP8.1 U3.5 | length 1058.1
  Top Layer w30: Q6.3 3293.43,2959.79 R38.2 3391.62,2960 v1(3420,2931.61) ; TP8.1 3312.8,3600 v1(3380,3600) U3.5
  Bottom Layer w30: v1(3380,3600) 3420,3560 v1(3420,2931.61)
TPS_VIN: C18.1 D1.2 Q2.3 R29.1 R31.2 U3.7 | length 1825.6
  Top Layer w30: C18.1 3326.79,3500 U3.7
  Top Layer w40: D1.2 3155.17,3443.21 C18.1 ; v1(3575,3040) v1(3610,3040) 3616.2,3033.8 Q2.3
  Bottom Layer w40: v1(3195,3050) 3347.5,3202.5 ; C18.1 3299.29,3443.21 3347.5,3395 3347.5,3202.5 ; v1(3610,3040) v1(3575,3040) 3540,3040 3500,3000 3500,2885 3460,2845 3385,2845 3347.5,2882.5 3347.5,3202.5
TS: IC2.4 R42.2 R45.2 | length 490.8
  Top Layer w12: R45.2 v1(1660,3119.01) ; v1(1899.25,3045) 1899.25,3080 1917.72,3098.47 IC2.4
  Top Layer w25: R45.2 R42.2
  Bottom Layer w12: v1(1660,3119.01) 1825.24,3119.01 v1(1899.25,3045)
USB: R11.2 U2.27 | length 143.9
  Top Layer w12: R11.2 2781.1,1670.1 U2.27
USB_N: J2.2 U2.32 | length 1012.4
  Top Layer w10: 2660.58,973 2879.53,1191.95 U2.32
  Top Layer w15: J2.2 2584.41,896.84 2660.58,973
USB_P: J2.3 R9.1 U2.33 | length 1077.3
  Top Layer w10: 2670.1,950 2899.21,1179.11 2899.21,1555 ; U2.33 2899.21,1555 ; R9.1 2939.21,1515 2899.21,1555
  Top Layer w15: J2.3 2610,889.9 2670.1,950
VBAT: J6.2 J7.1 R25.2 SW3.1 TP4.1 | length 1046
  Top Layer w25: J6.2 2920,2990 R25.2
  Top Layer w40: TP4.1 2675,3085 J6.2 J7.1 2845,3540.34 SW3.1
VDDA: C10.2 R3.2 U2.9 | length 228.1
  Top Layer w12: U2.9 2800.79,2165.79 v1(2810,2175)
  Bottom Layer w25: v1(2810,2175) 2790,2195 R3.2 C10.2
VREF: C24.1 IC2.6 R42.1 R46.1 R47.1 | length 1427.1
  Top Layer w12: v1(1890,2965) 1965,2965 2020.63,3020.63 IC2.6
  Top Layer w25: C24.1 R47.1 R46.1 v1(1365,2965) ; R42.1 v1(1615,3315)
  Bottom Layer w25: v1(1365,2965) 1400,2965 ; v1(1615,3315) 1615,3180 1400,2965 ; v1(1890,2965) 1400,2965
VSEN: C15.2 J4.1 Q2.2 R20.1 TP6.1 | length 4669.5
  Top Layer w25: 3654.8,2819.8 Q2.2
  Top Layer w40: 3654.8,2819.8 3654.8,2555.2 3715,2495 v1(3715,2410) v1(3715,2375) v1(3715,2340)
  Bottom Layer w25: v1(2143.11,1113.21) 2155,1101.32 2155,695
  Bottom Layer w40: J4.1 1653.61,711.39 1670,695 2155,695 2345,695 2390,740 2390,845 2420,875 3535,875 3715,1055 v1(3715,2340) v1(3715,2375) v1(3715,2410)
VSOLAR: D5.1 J8.2 R40.1 R41.2
WAKE: C13.2 R6.1 SW2.1 U2.10 | length 909
  Top Layer w12: 2465,2210 2751.42,2210 2781.1,2180.32 U2.10
  Top Layer w25: SW2.1 2084.14,2365.92 R6.1 C13.2 2396.51,2210 2465,2210
pads on no net: J2.1 J2.4 SCR1.0 SCR2.0 SCR3.0 SCR4.0 SW3.3 U3.2 U3.3

## Polygon pours and split planes (outlines as drawn)
NetC17_1 on Top Layer "NETC17_1_L01_P000" (solid, remove dead copper, pour order 0): 3605,3285 3605,3110 3875,3110 3875,3282.58 3965,3282.58 3965,3400 3740,3400 3740,3285
NetC16_1 on Top Layer "NETC16_1_L01_P002" (solid, pour order 2): 3510,3460 3510,3405 3555,3405 3555,3110 3302.8,3110 3302.8,3255.18 3400,3352.38 3400,3460
SRP on Top Layer "SRP_L01_P018" (solid, remove dead copper, pour order 18): 2700,3300 2410,3300 2410,3185 2700,3185
NetD7_1 on Top Layer "NETD7_1_L01_P014" (solid, remove dead copper, pour order 14): 2450,3495 2700,3495 2700,3341.89 2450,3341.89
GND on Top Layer "GND_L01_P012" (solid, remove dead copper, pour order 12): 1000,3650 4295,3650 4295,650 1000,650
PH on Top Layer "PH_L01_P010" (solid, remove dead copper, pour order 10): 1899.25,3560 1899.25,3375 1820,3375 1820,3290 2070,3290 2145,3365 2355,3365 2355,3495 2230,3495 2230,3410 2088.39,3410 2088.39,3560
NetC22_1 on Top Layer "NETC22_1_L01_P006" (solid, remove dead copper, pour order 6): 1690,3600 2005,3600 2005,3375 1695,3375 1690,3375
VSOLAR on Top Layer "VSOLAR_L01_P004" (solid, remove dead copper, pour order 4): 1050,3175 1050,3350 1325,3350 1325,3600 1450,3600 1450,3350 1545,3350 1545,3250 1295.5,3250 1295.5,3175
GND on Bottom Layer "GND_L02_P020" (solid, remove dead copper, pour order 20): 3530,3590 3630,3590 3630,3465 3530,3465
GND on Bottom Layer "GND_L02_P008" (solid, remove dead copper, pour order 8): 1000,650 4295,650 4295,3650 1000,3650

## Keep-outs
Keep-Out Layer:
  lines w10: 1000,795 1000,3500 cw(c1150,3500) 1150,3650 4145,3650 cw(c4145,3500) 4295,3500 4295,799.21 cw(c4145,799.21) 4145,649.21 ; 1000,800 ccw(c1150,800) 1150,650 ; 1145,650 4160,650

## Silkscreen, mask and mechanical layers (free items; w line width, h text height)
Top Overlay:
  drawing of 17314 lines, arcs and shapes, not listed
  text "ENA" at 3180,3590 h30
  text "H" at 1992.76,3580.59 h40
  text "L" at 2178.95,3580.59 h40
  text "VFB" at 3825.79,3555 h30
  text "ON" at 2640,3530 h30
  text "OFF" at 3165,3530 h30
  text "+" at 1295.5,3350 h60
  text "+" at 2660,3110 h60
  text "3V3" at 4092,3070 h30
  text "VFBS" at 2141.77,3045 h30
  text "VBAT" at 2590,3000 h30
  text "VSTART" at 3555,2745 h30 r90
  text "MPPT" at 1635.95,2705 h30
  text "VSUB" at 3765,2575 h30
  text "VSEN" at 3750,2455 h30
  text "WAKE" at 1963.5,2335 h40 r90
  text "RESET" at 2385,2320 h40 r90
  text "RTC" at 3140,2205.58 h30
  text "L1" at 3345,2155 h40
  text "L2" at 3485,2155 h40
  text "LoRa SX1278" at 1095,1730.43 h30 r90
  text "Super Capacitor" at 3635,1715 h30
  text "-" at 3115,1540 h30
  text "+" at 3315,1540 h30
  text "K" at 3180,1535 h30
  text "O" at 3245,1535 h30
  text "RS-485" at 1290,1180 h30
  text "SOL GARDEN NODE" at 3205,1110 h60
  text "5V" at 1100,1045 h50
  text "B-" at 1250,1045 h50
  text "A+" at 1400,1045 h50
  text "G" at 1575,1045 h50
  text "I2C" at 2945,945 h30
  text "DEBUG" at 2528,920 h30
  text "-" at 2874.5,870 h30
  text "+" at 3074.5,870 h30
  text "A" at 2939.5,865 h30
  text "L" at 3004.5,865 h30
  text "POWER: Li-Ion 2S 8.4V / SOLAR: 18-21V MPPT CHARGE / COMM SENSOR: RS-485 & I2C / COMM WIRELESS: LoRa / VERSION: v2.5" at 3170,765 h30
  text "Designed by VENTO" at 3320,690 h40
Bottom Overlay:
  lines w10: 1215.83,3162.5 1525.83,3162.5 ; 2896,3220 2896,3370 ; 1215.83,3057.5 1525.83,3057.5 1525.83,3262.5 1215.83,3262.5 1215.83,3057.5 ; 2746,3220 3046,3220 3046,3370 2746,3370 2746,3220
  text "+" at 2791,3265 h50
  text "-" at 2942,3265 h50
  text "SOLAR+" at 1467.72,3182.5 h30
  text "SOLAR-" at 1467.72,3092.5 h30

## Text inside footprints (layer, text, board x,y; h text height)
C17: Top Overlay "+" at 3846,3337.21 h47.24 r90
C18: Top Overlay "+" at 3314,3461 h47.24 r270
C22: Top Overlay "+" at 1778,3535 h25 r270
C27: Top Overlay "+" at 2490,2782 h25 r180
C28: Top Overlay "+" at 2632,2810 h25 r90
SW3: Top Overlay "ON" at 2835,3460.34 h25; Top Overlay "OFF" at 2985,3460.34 h25